# Altium PCB main.PcbDoc
Units mil, origin at the board's own origin, x right, y up, seen from the top; angles counter-clockwise.
Board outline 1299.21 x 1673.57 mil, 4 copper layers (Top Layer, GND, POWER, Bottom Layer), stack 23.756 mil thick; 104 components, 80 nets, 363 pads, 216 vias.
Unrouted connection lines stored in the file: 18.
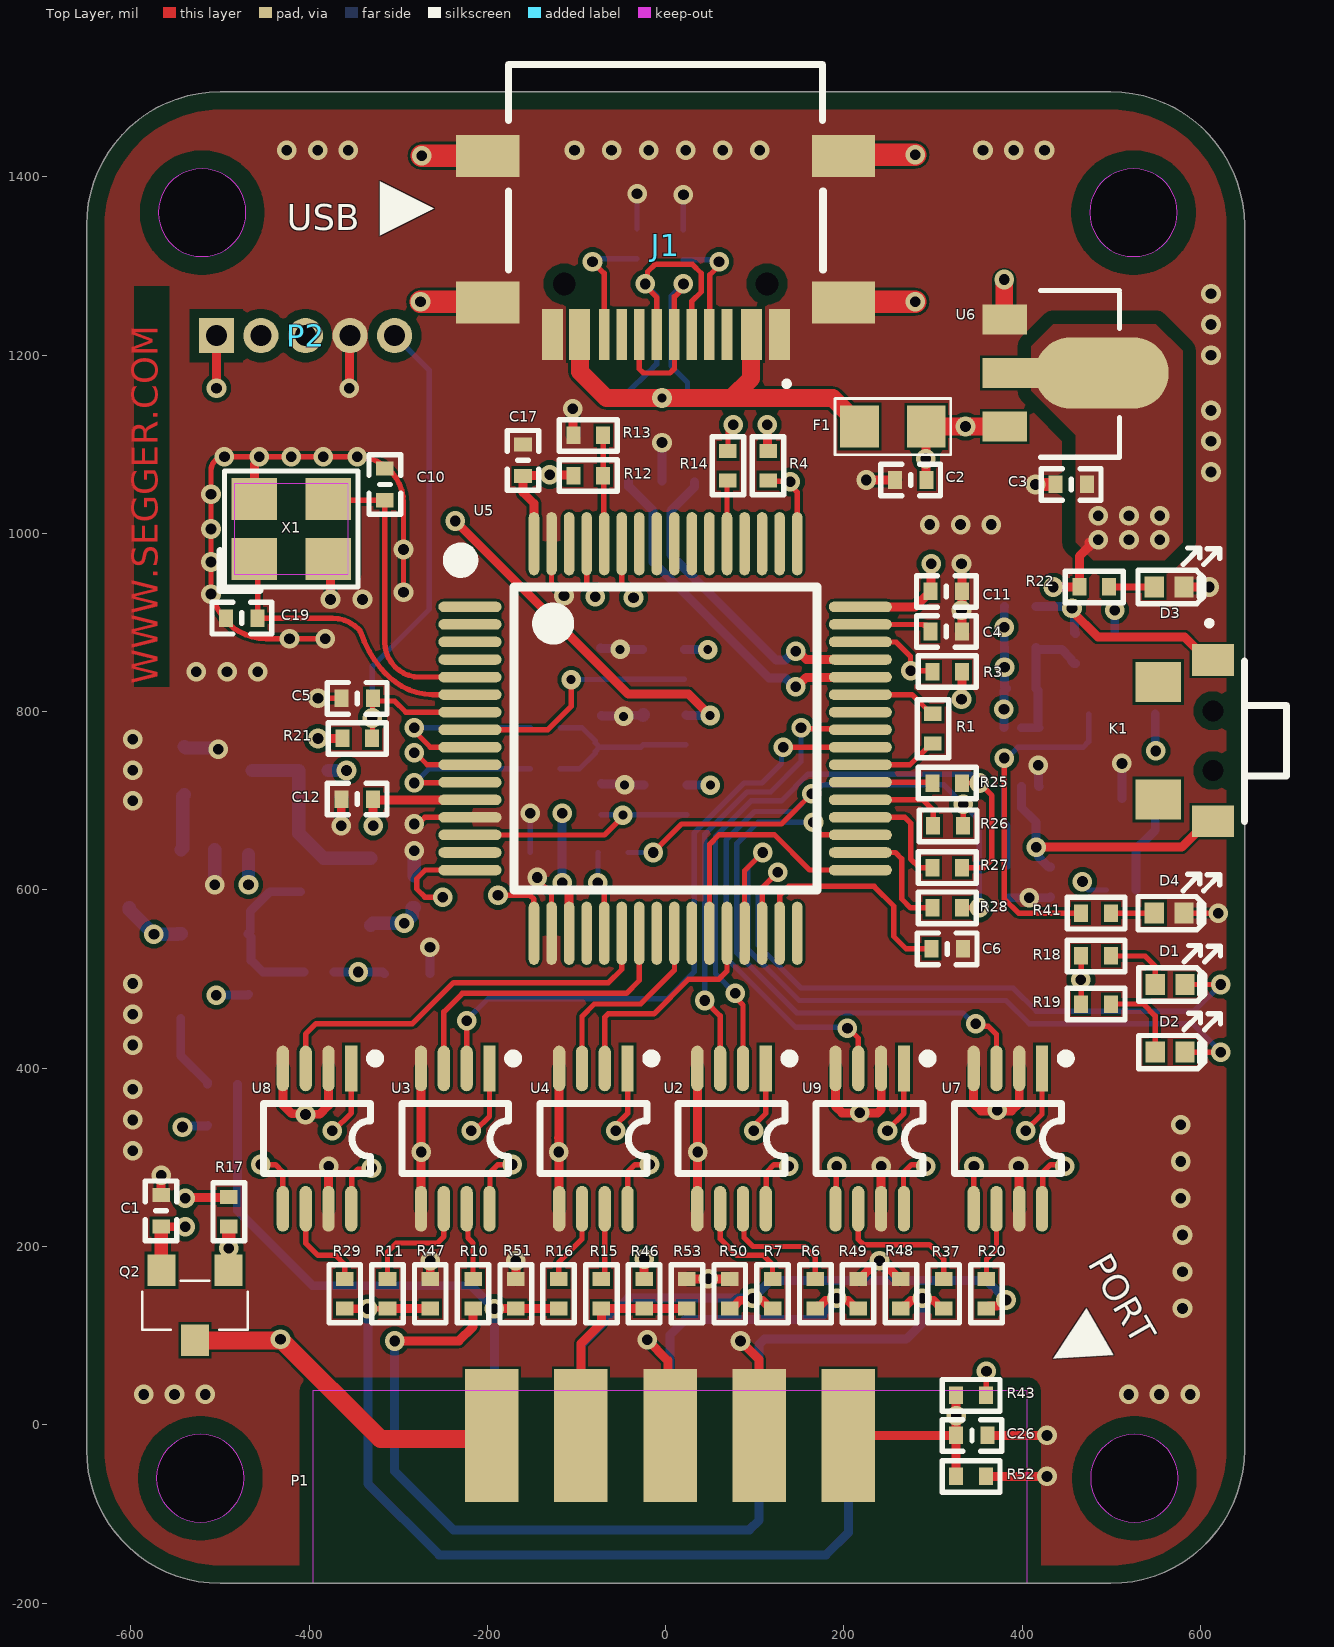
[diagram p0: Top Layer view]
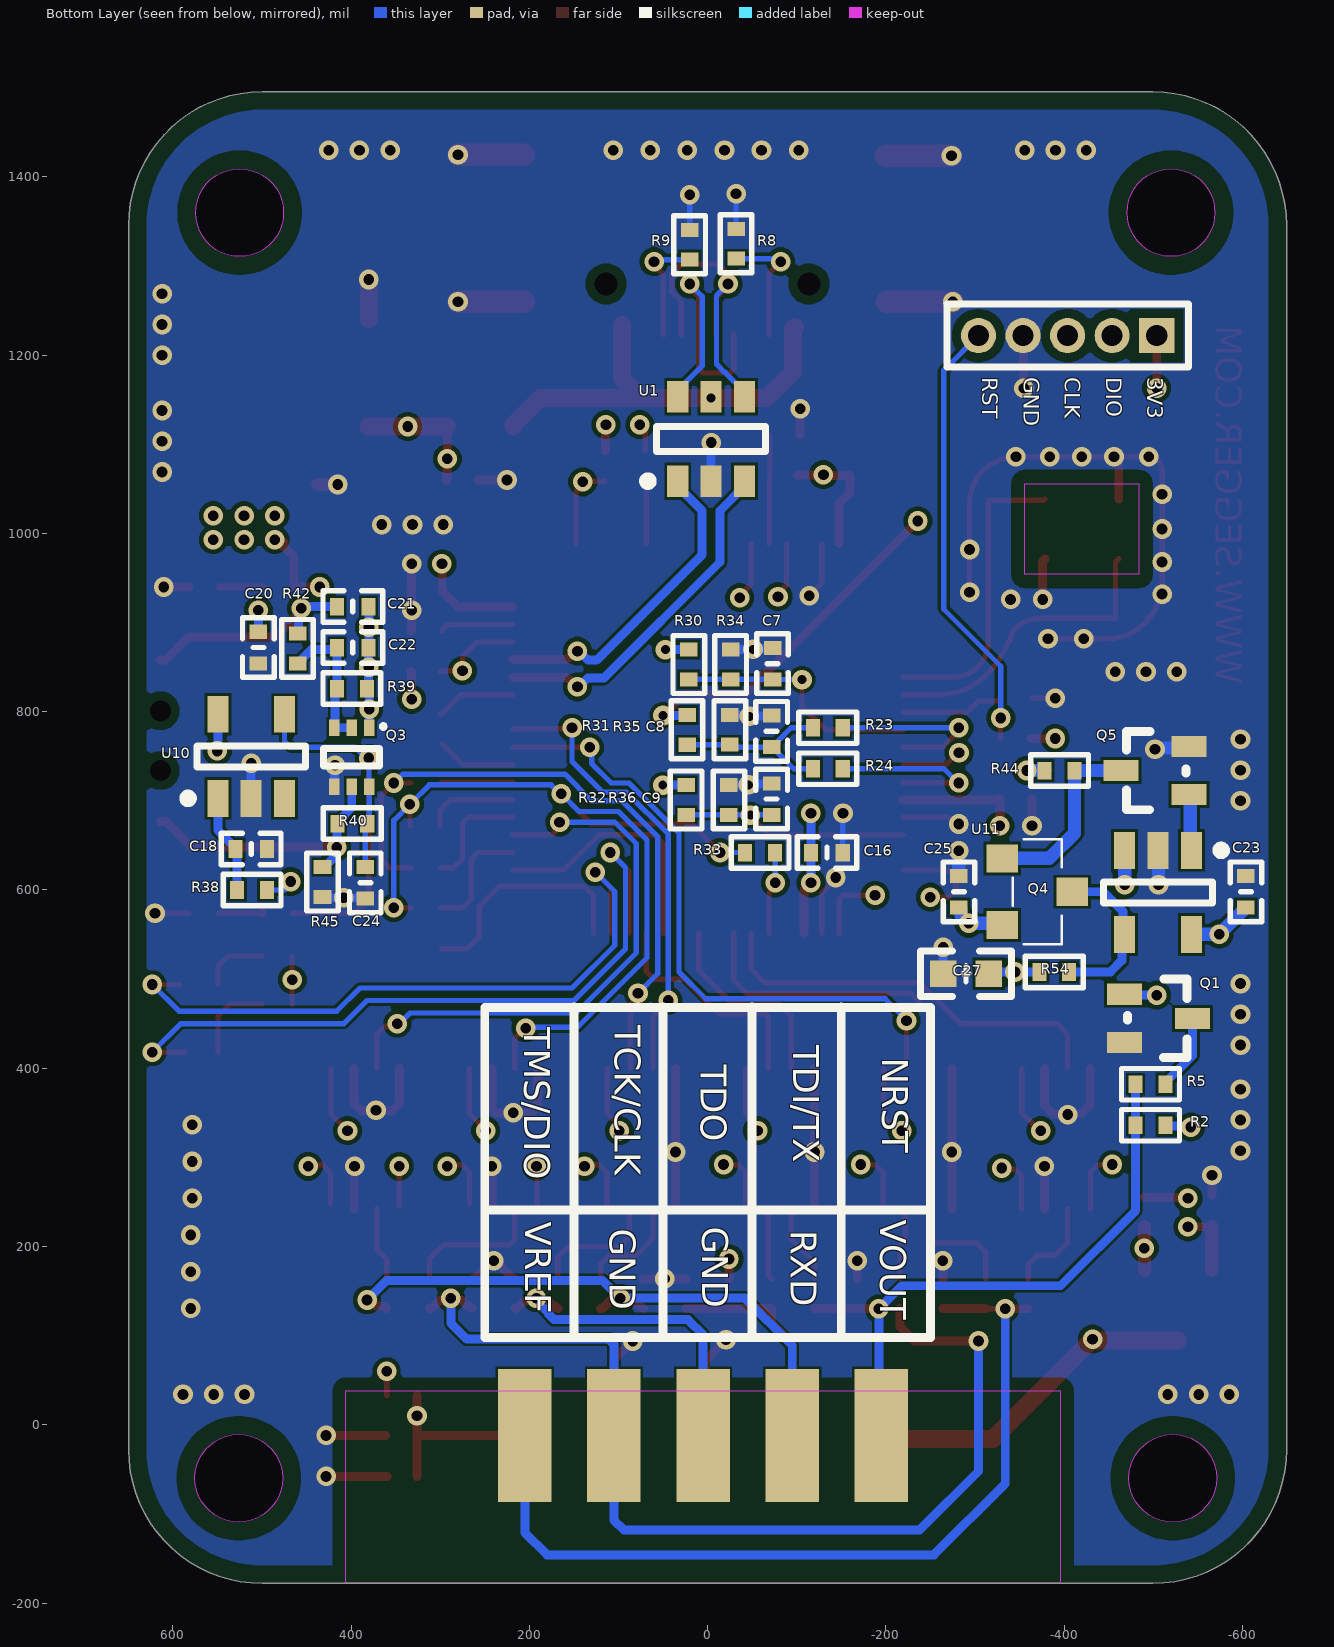
[diagram p1: Bottom Layer view, seen from below]
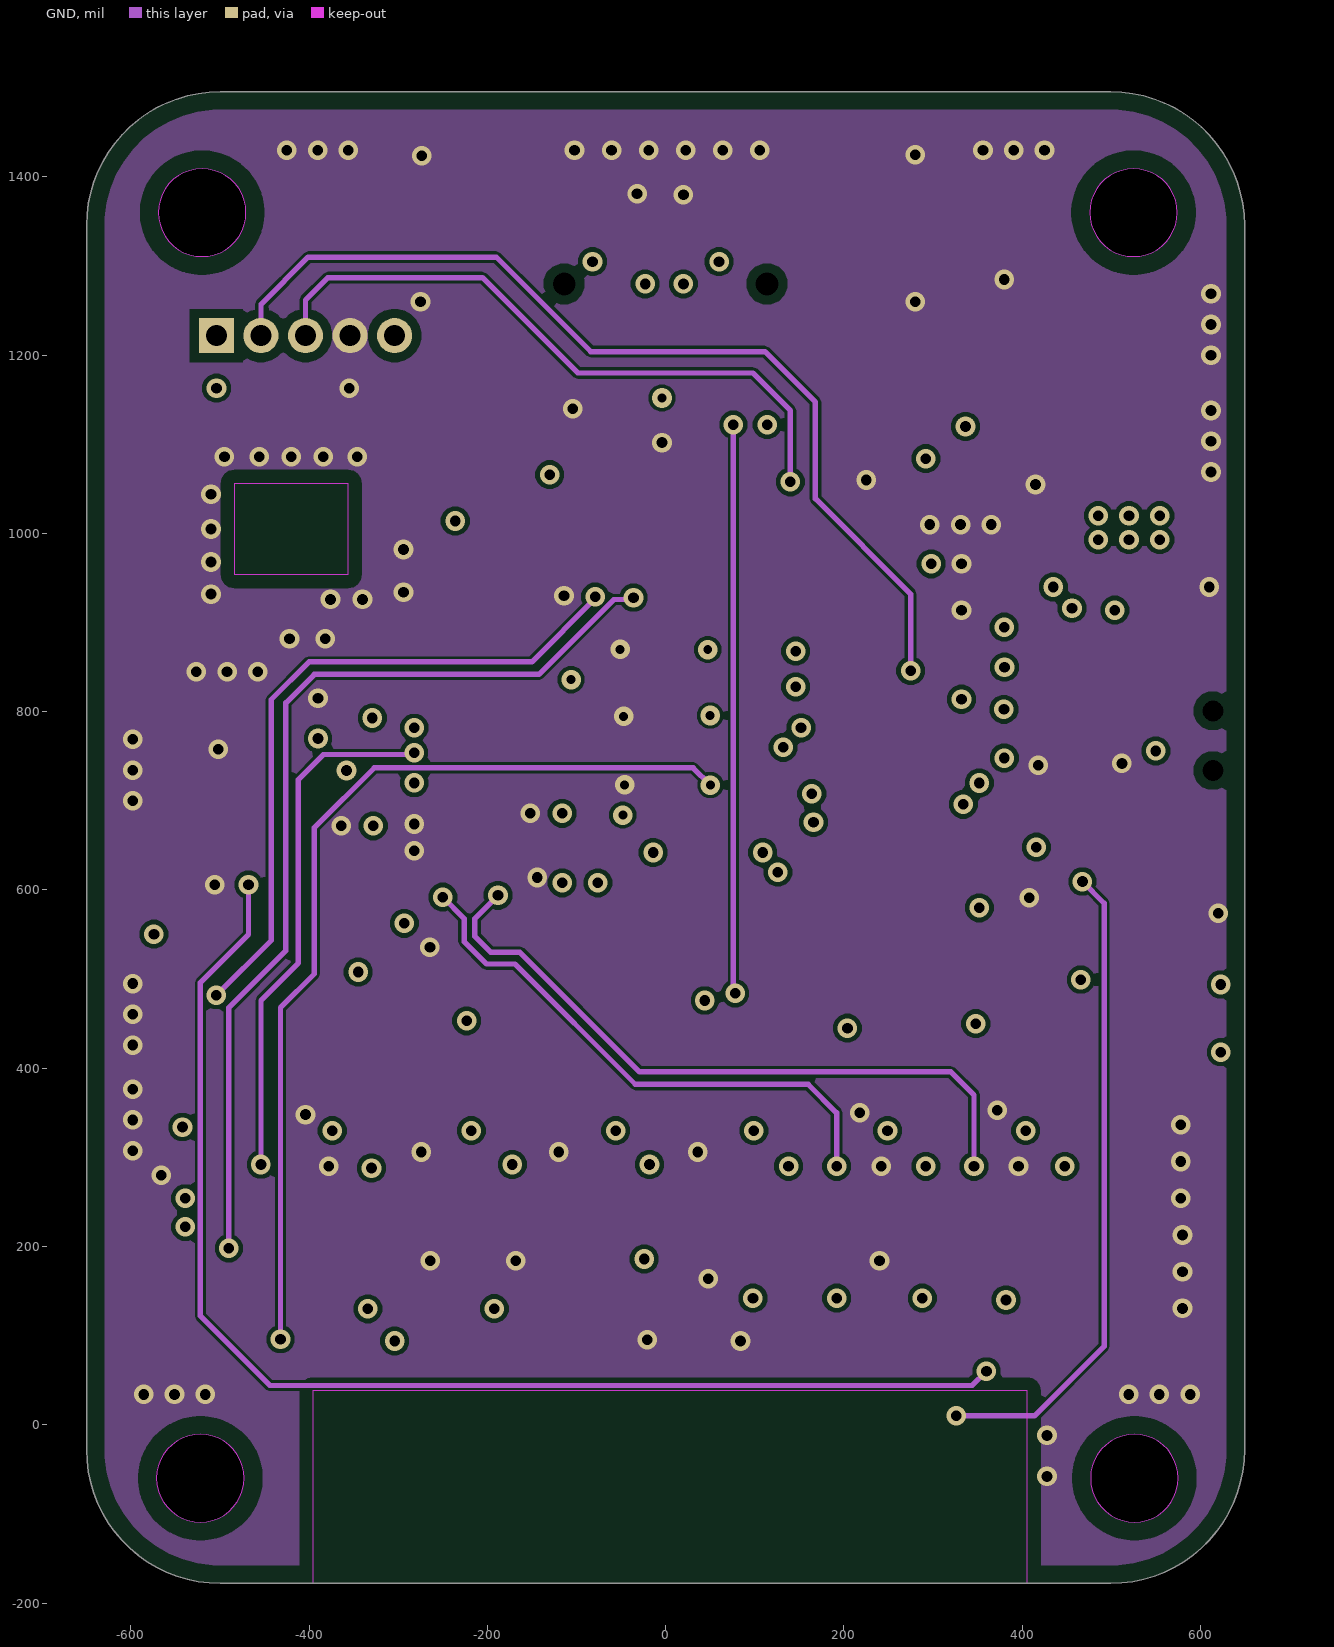
[diagram p2: GND]
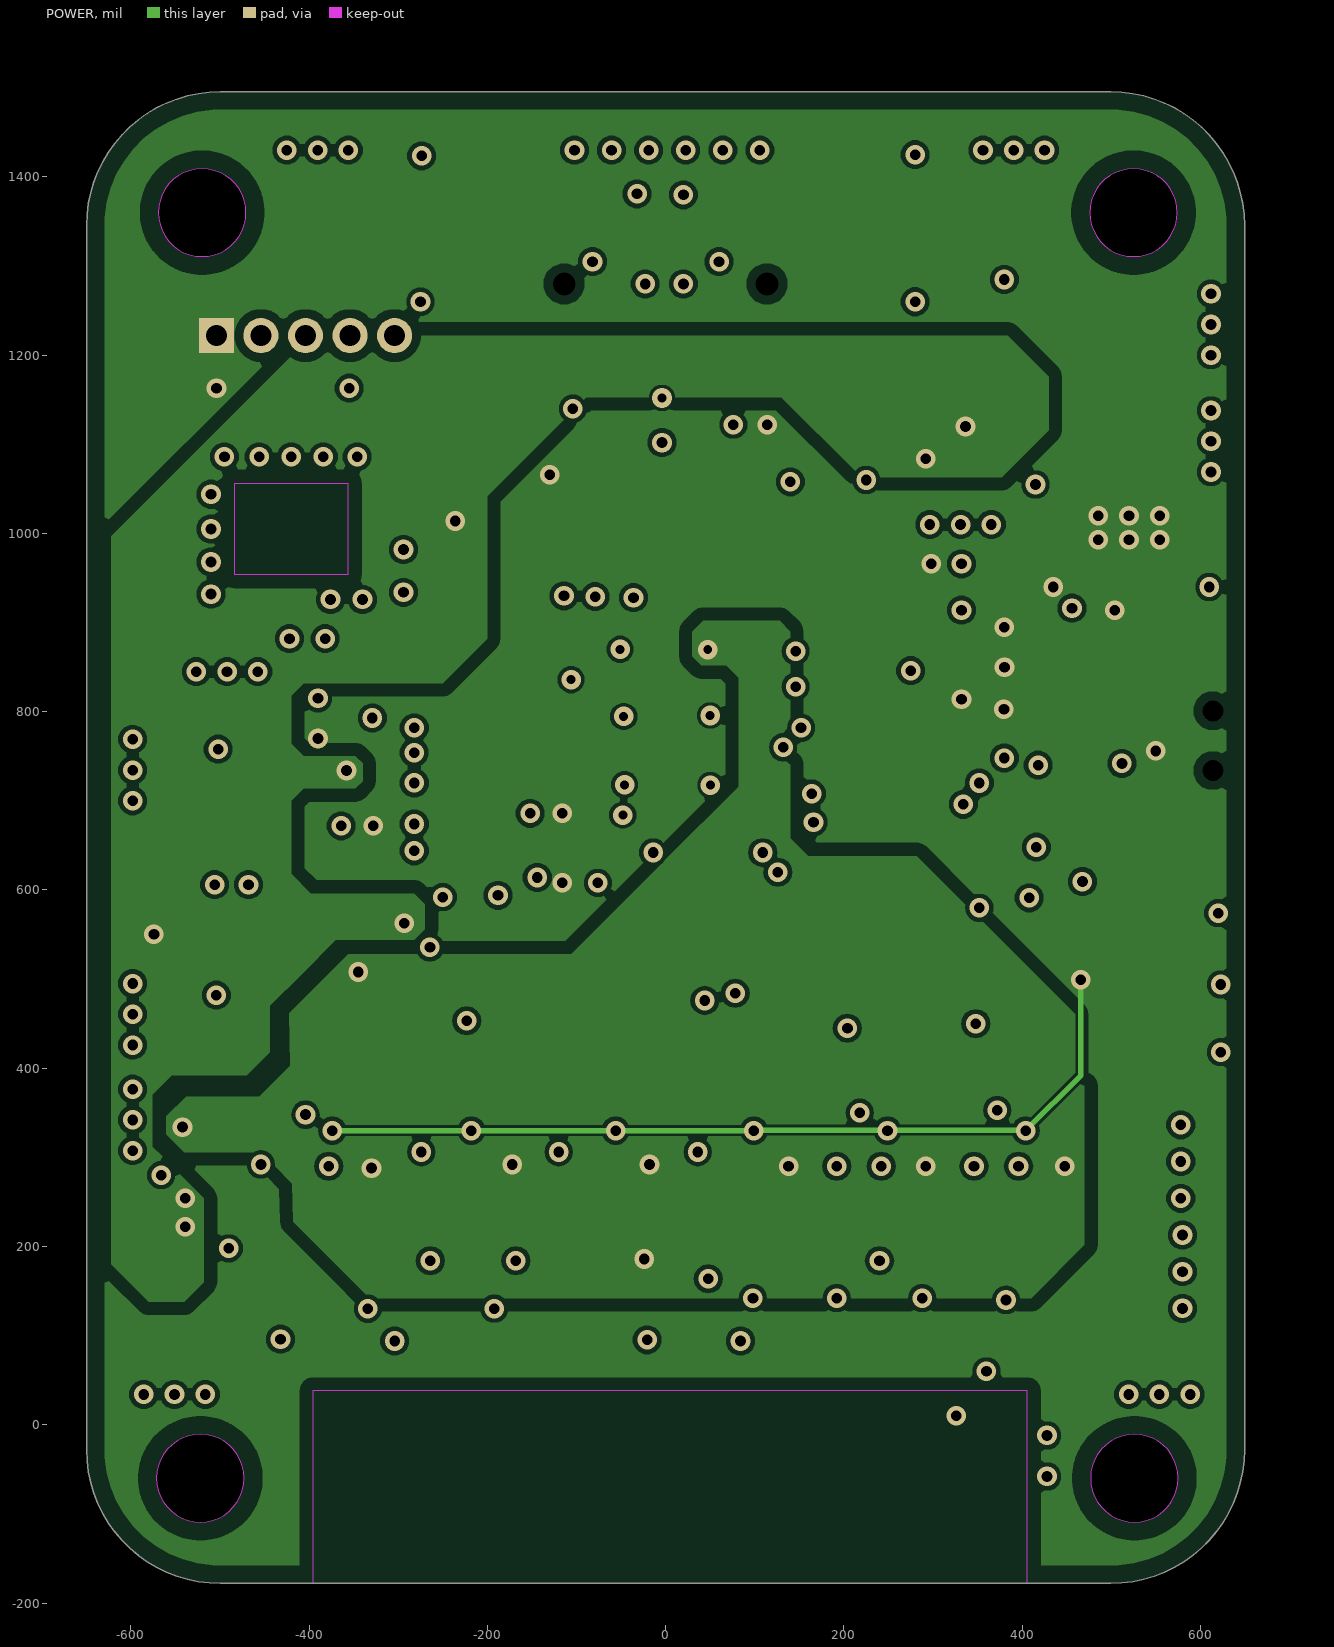
[diagram p3: POWER]
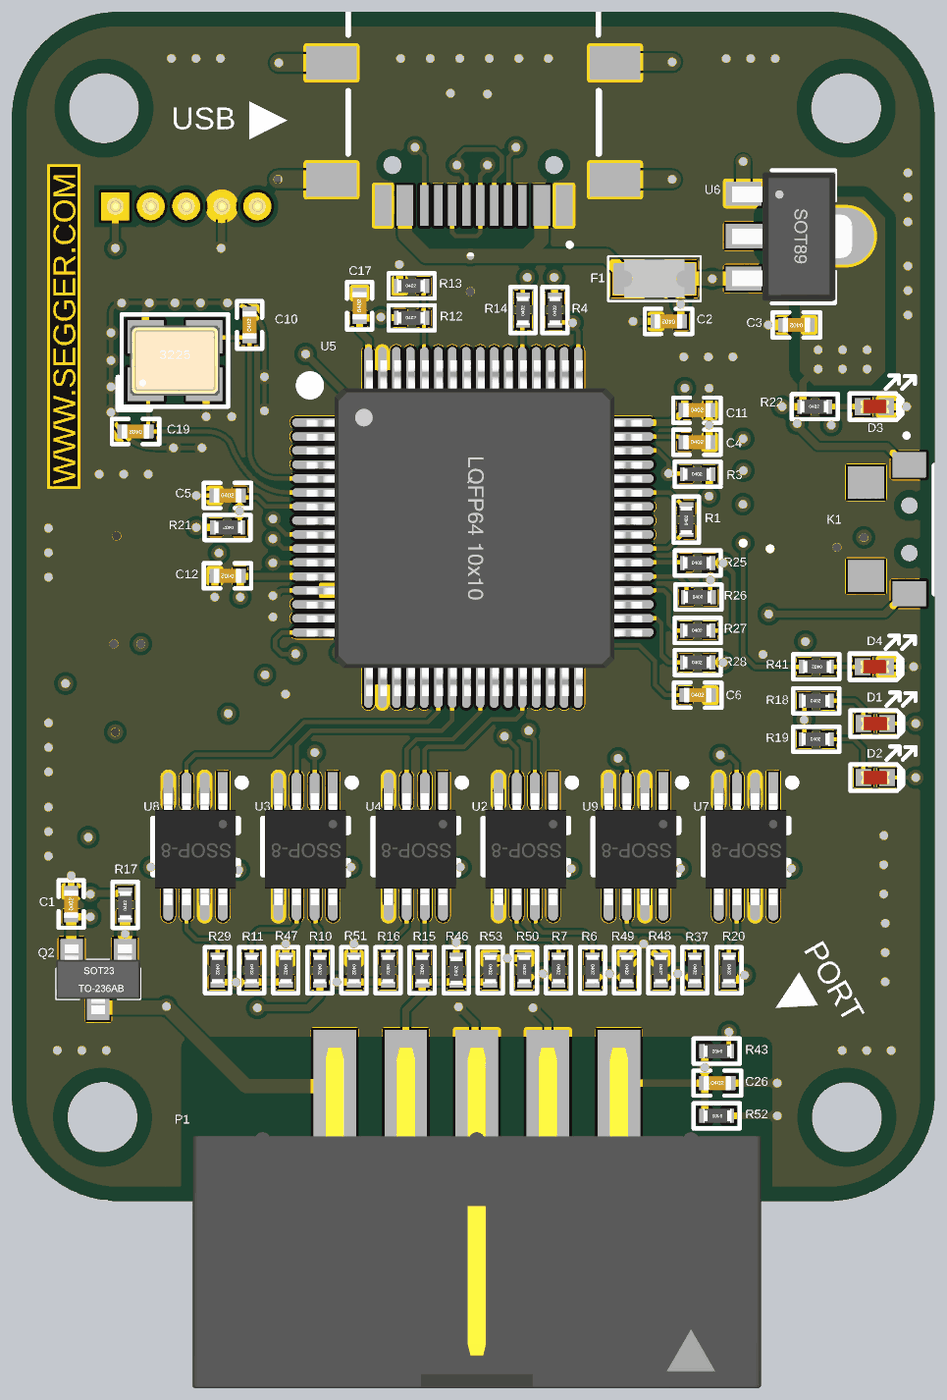
[diagram p4: 3D render of the assembled board from above, using the file's embedded part models]
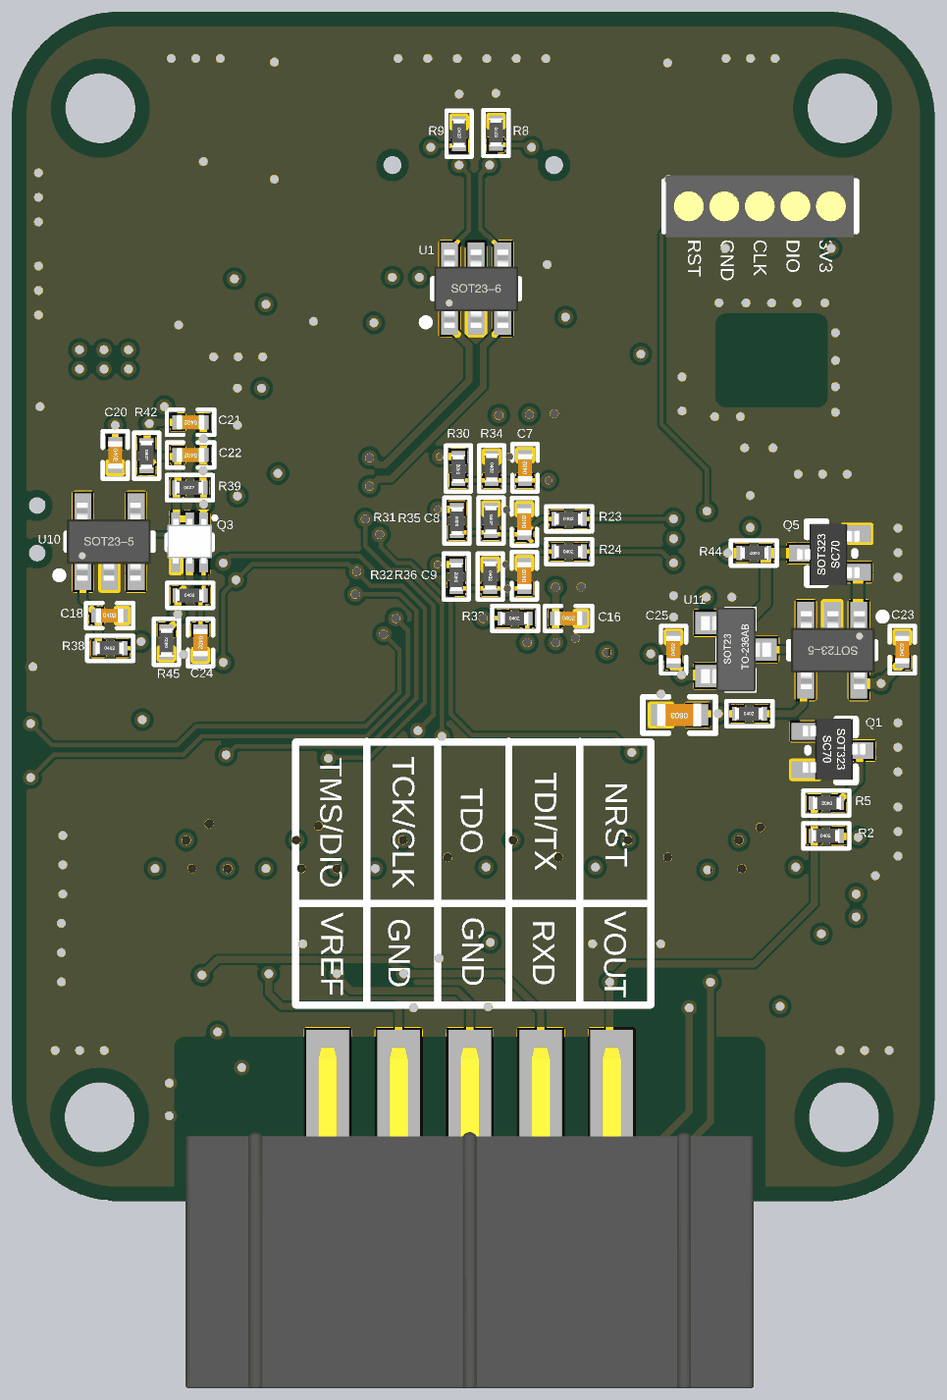
[diagram p5: 3D render of the assembled board from below, using the file's embedded part models]

## Layer stack, top to bottom
Top Solder: solder mask 0.4, Solder Resist, Dk 3.5
Top Layer: signal copper 1.4
Dielectric 2: prepreg 2.8, PP-006, Dk 4.1
GND: signal copper 1.378
Dielectric 3: dielectric 12.6, FR-4, Dk 4.8
POWER: signal copper 1.378
Dielectric 1: prepreg 2.8, PP-006, Dk 4.1
Bottom Layer: signal copper 1.4
Bottom Solder: solder mask 0.4, Solder Resist, Dk 3.5

## Board outline
-649.61,-28 -649.61,1345.57 cw(c-499.61,1345.57) -499.61,1495.57 499.61,1495.57 cw(c499.61,1345.57) 649.61,1345.57 649.61,-28 cw(c499.61,-28) 499.61,-178 -499.61,-178 cw(c-499.61,-28)
cut-out: -571.21,-60 ccw(c-522,-60) -522,-109.21 ccw(c-522,-60) -472.79,-60 ccw(c-522,-60) -522,-10.79 ccw(c-522,-60)
cut-out: 476.79,-60 ccw(c526,-60) 526,-109.21 ccw(c526,-60) 575.21,-60 ccw(c526,-60) 526,-10.79 ccw(c526,-60)
cut-out: -569.21,1360 ccw(c-520,1360) -520,1310.79 ccw(c-520,1360) -470.79,1360 ccw(c-520,1360) -520,1409.21 ccw(c-520,1360)
cut-out: 475.79,1360 ccw(c525,1360) 525,1310.79 ccw(c525,1360) 574.21,1360 ccw(c525,1360) 525,1409.21 ccw(c525,1360)

## Design rules (kind name [scope] priority, off if disabled: settings)
BoardOutlineClearance [All] p1: gap=10 ignorepadtopadclearanceinfootprint=FALSE except(0: Arc-SplitContinuation Track-SplitContinuation SMDPad-SplitContinuation THPad-SplitContinuation Via-SplitContinuation Fill-SplitContinuation Region-SplitContinuation Text-SplitContinuation; 20: Poly-OutlineEdge Poly-CavityEdge Poly-CutoutEdge Poly-SplitBarrior Poly-SplitContinuation)
Clearance [All] p1: gap=3 ignorepadtopadclearanceinfootprint=TRUE except(10: THPad-Fill THPad-Poly THPad-Region Fill-Hole Poly-Hole Region-Hole; 15: Fill-Fill Fill-Poly Fill-Region Poly-Poly Poly-Region Region-Region)
DiffPairsRouting [All] p1: maxlimit=10 minlimit=10 mostfreqgap=10 toplayer_minwidth=6 toplayer_maxwidth=15 toplayer_prefwidth=6 midlayer1_minwidth=6 midlayer1_maxwidth=15 midlayer1_prefwidth=6 midlayer2_minwidth=6 midlayer2_maxwidth=15 midlayer2_prefwidth=6 bottomlayer_minwidth=6 bottomlayer_maxwidth=15 bottomlayer_prefwidth=6 maxuncoupledlength=500
MatchedLengths [InNetClass('OSC')] p1: tolerance=5 checknetsindiffpair=FALSE checkdiffpairvsdiffpair=TRUE checkxsignals=TRUE checkothers=TRUE
PlaneConnect [All] p1: planeconnectstyle=Direct reliefexpansion=20 reliefentries=4 reliefconductorwidth=10 reliefairgap=10
PolygonConnect [All] p1: connectstyle=Direct reliefconductorwidth=10 reliefentries=4 polygonreliefangle="90 Angle" airgapwidth=10
RoutingVias [All] p1: holewidth=12 width=22 viastyle="Through Hole" minholewidth=5 minwidth=10 maxholewidth=50 maxwidth=100
SilkToSilkClearance [All] p1: silktosilkclearance=2
SilkToSolderMaskClearance [IsPad] p1: minsilkscreentomaskgap=2 clearancetoexposedcopper=TRUE
SolderMaskExpansion [All] p1: expansion=4 istentingtop=FALSE
UnRoutedNet [All] p1: checkbadconnections=TRUE
Width [All] p1: maxlimit=100 minlimit=4 preferedwidth=6
25 further rules are at their usual default settings.

## Classes and differential pairs
net class POWER: 3V3_CORE +5V GND tVREF VBUS VCC_TGT VOUT VREF
net class OSC: OSC_IN OSC_OUT
differential pair USB: +USB_P -USB_N
differential pair MCU: +MCU_P -MCU_N

## Components (designator, comment, footprint, x,y, rotation, side; value= is the part's Value field where it differs from the comment)
C1 "0.1uF" C0402 -566,240 r90 top
C2 "10uF" C0402 275,1060 r180 top
C3 "10uF" C0402 455,1055 r180 top
C4 "4.7uF" C0402 315,890 r0 top
C5 "0.1uF" C0402 -345.98,815 r0 top
C6 "4.7uF" C0402 316,534 r0 top
C7 "0.1uF" C0402 -73,854 r90 bottom
C8 "0.1uF" C0402 -72,778 r90 bottom
C9 "0.1uF" C0402 -72,702 r90 bottom
C10 "10pF" C0402 -315,1055 r90 top
C11 "0.1uF" C0402 315,935 r0 top
C12 "0.1uF" C0402 -346,702 r180 top
C16 "0.1uF" C0402 -134,642 r180 bottom
C17 "0.1uF" C0402 -160,1082 r90 top
C18 "0.1uF" C0402 512,646 r180 bottom
C19 "10pF" C0402 -475.43,905 r180 top
C20 "0.1uF" C0402 504,872 r270 bottom
C21 "1uF" C0402 398,918 r0 bottom
C22 "0.1uF" C0402 398,872 r0 bottom
C23 "0.1uF" C0402 -604,598 r90 bottom
C24 "0.1uF" C0402 384,608 r270 bottom
C25 "10uF" C0402 -282,598 r90 bottom
C26 "0.1uF" C0402 343.72,-12 r0 top
C27 "10uF" C0603 -290,506 r0 bottom
D1 "MHT136CRCT" LED-0402 566,494 r0 top
D2 "SZYY0402G" LED-0402 566,418 r0 top
D3 "SZYY0402G" LED-0402 565,940 r0 top
D4 "MHT136CRCT" LED-0402 565,574 r0 top
F1 "JK-SMD0805-050" FUSE_0805 255,1120 r0 top
J1 "TYPE-C 16P QTWT" USB-C-16-SM 0,1280 r180 top locked
K1 "TS36CA-0.6" SW4-3X6X3R5-WS 614,767.46 r270 top
P1 "IDC10P" IDC10P-2R54-WS 0,-12 r180 top locked
P2 "Device Name" HDR-1.27-1X5 -504,1222 r0 top value=HDR-1.27-5P
Q1 "PDTC143ZU" SOT323 -506,456 r270 bottom
Q2 "AO7401" SOT23-3 -528,134 r90 top
Q3 "NX3008CBKV,115" SOT666 399.29,749 r270 bottom
Q4 "AO7401" SOT23-3 -370,598 r0 bottom
Q5 "PDTC143ZU" SOT323 -502,734 r90 bottom
R1 "470" R0402 300,780 r90 top
R2 "10K" R0402 -496,336 r180 bottom
R3 "1K" R0402 315,845 r0 top
R4 "1K" R0402 115,1075 r90 top
R5 "51" R0402 -498,382 r0 bottom
R6 "100" R0402 168,147.96 r270 top
R7 "100" R0402 120,147.96 r270 top
R8 "1K" R0402 -32,1326 r270 bottom
R9 "1K" R0402 20,1325 r270 bottom
R10 "100" R0402 -216,147.96 r270 top
R11 "100" R0402 -312,147.96 r270 top
R12 "10K" R0402 -87.71,1065 r0 top
R13 "10K" R0402 -87.71,1110 r0 top
R14 "22" R0402 70,1075 r90 top
R15 "100" R0402 -72,147.96 r270 top
R16 "100" R0402 -120,147.96 r270 top
R17 "10K" R0402 -490,238 r90 top
R18 "1K" R0402 482,526 r0 top
R19 "1K" R0402 482,472 r0 top
R20 "100" R0402 360,147.96 r270 top
R21 "10K" R0402 -345,770 r180 top
R22 "1K" R0402 480,940 r0 top
R23 "22" R0402 -134,782 r180 bottom
R24 "22" R0402 -134,736 r180 bottom
R25 "22" R0402 315,720 r0 top
R26 "22" R0402 316,672 r0 top
R27 "22" R0402 315,625 r0 top
R28 "22" R0402 315,580 r0 top
R29 "100" R0402 -360,147.96 r270 top
R30 "10.2K" R0402 21,852 r90 bottom
R31 "10.2K" R0402 23,778.71 r90 bottom
R32 "10.2K" R0402 24,700 r90 bottom
R33 "22" R0402 -58,642 r180 bottom
R34 "10.2K" R0402 -26,854 r270 bottom
R35 "10.2K" R0402 -25,780.71 r270 bottom
R36 "10.2K" R0402 -24,702 r270 bottom
R37 "100" R0402 312,147.96 r270 top
R38 "5.1" R0402 512,600 r180 bottom
R39 "1K" R0402 400,826 r180 bottom
R40 "1K" R0402 399.51,674.49 r180 bottom
R41 "75K" R0402 484,574 r180 top
R42 "47K" R0402 460,872 r270 bottom
R43 "5.1K" R0402 343.72,33 r180 top
R44 "10K" R0402 -396,734 r0 bottom
R45 "10K" R0402 432,608 r90 bottom
R46 "1K" R0402 -24,146 r90 top
R47 "1K" R0402 -264,147.96 r270 top
R48 "1K" R0402 264,147.96 r270 top
R49 "1K" R0402 216,147.96 r270 top
R50 "1K" R0402 72,147.96 r270 top
R51 "1K" R0402 -168,147.96 r270 top
R52 "1K" R0402 343.72,-58 r180 top
R53 "1K" R0402 24,147.96 r270 top
R54 "5.1" R0402 -388,508 r180 bottom
U1 "USBLC6-2SC6" SOT23-6 -4,1106 r90 bottom
U2 "SN74LVC2T45DCTR" SSOP8 74,321 r270 top
U3 "SN74LVC2T45DCTR" SSOP8 -236,321 r270 top
U4 "SN74LVC2T45DCTR" SSOP8 -81,321 r270 top
U5 "STM32F205RET6" LQFP64-0R5-10X10 0,770 r270 top locked
U6 "XC6203E332PR-G" SOT89 435,1180 r270 top locked
U7 "SN74LVC2T45DCTR" SSOP8 384,321 r270 top
U8 "SN74LVC2T45DCTR" SSOP8 -391,321 r270 top
U9 "SN74LVC2T45DCTR" SSOP8 229,321 r270 top
U10 "TPS2051BDBVR" SOT23-5 512,750 r90 bottom
U11 "MCP6001T-I/OT" SOT23-5 -505.4,597.24 r270 bottom
X1 "X322512MSB4SI" 3225-4P -420,1005 r0 top
